# EAGLE board working (EAGLE 9.6.2), part 6 of 28
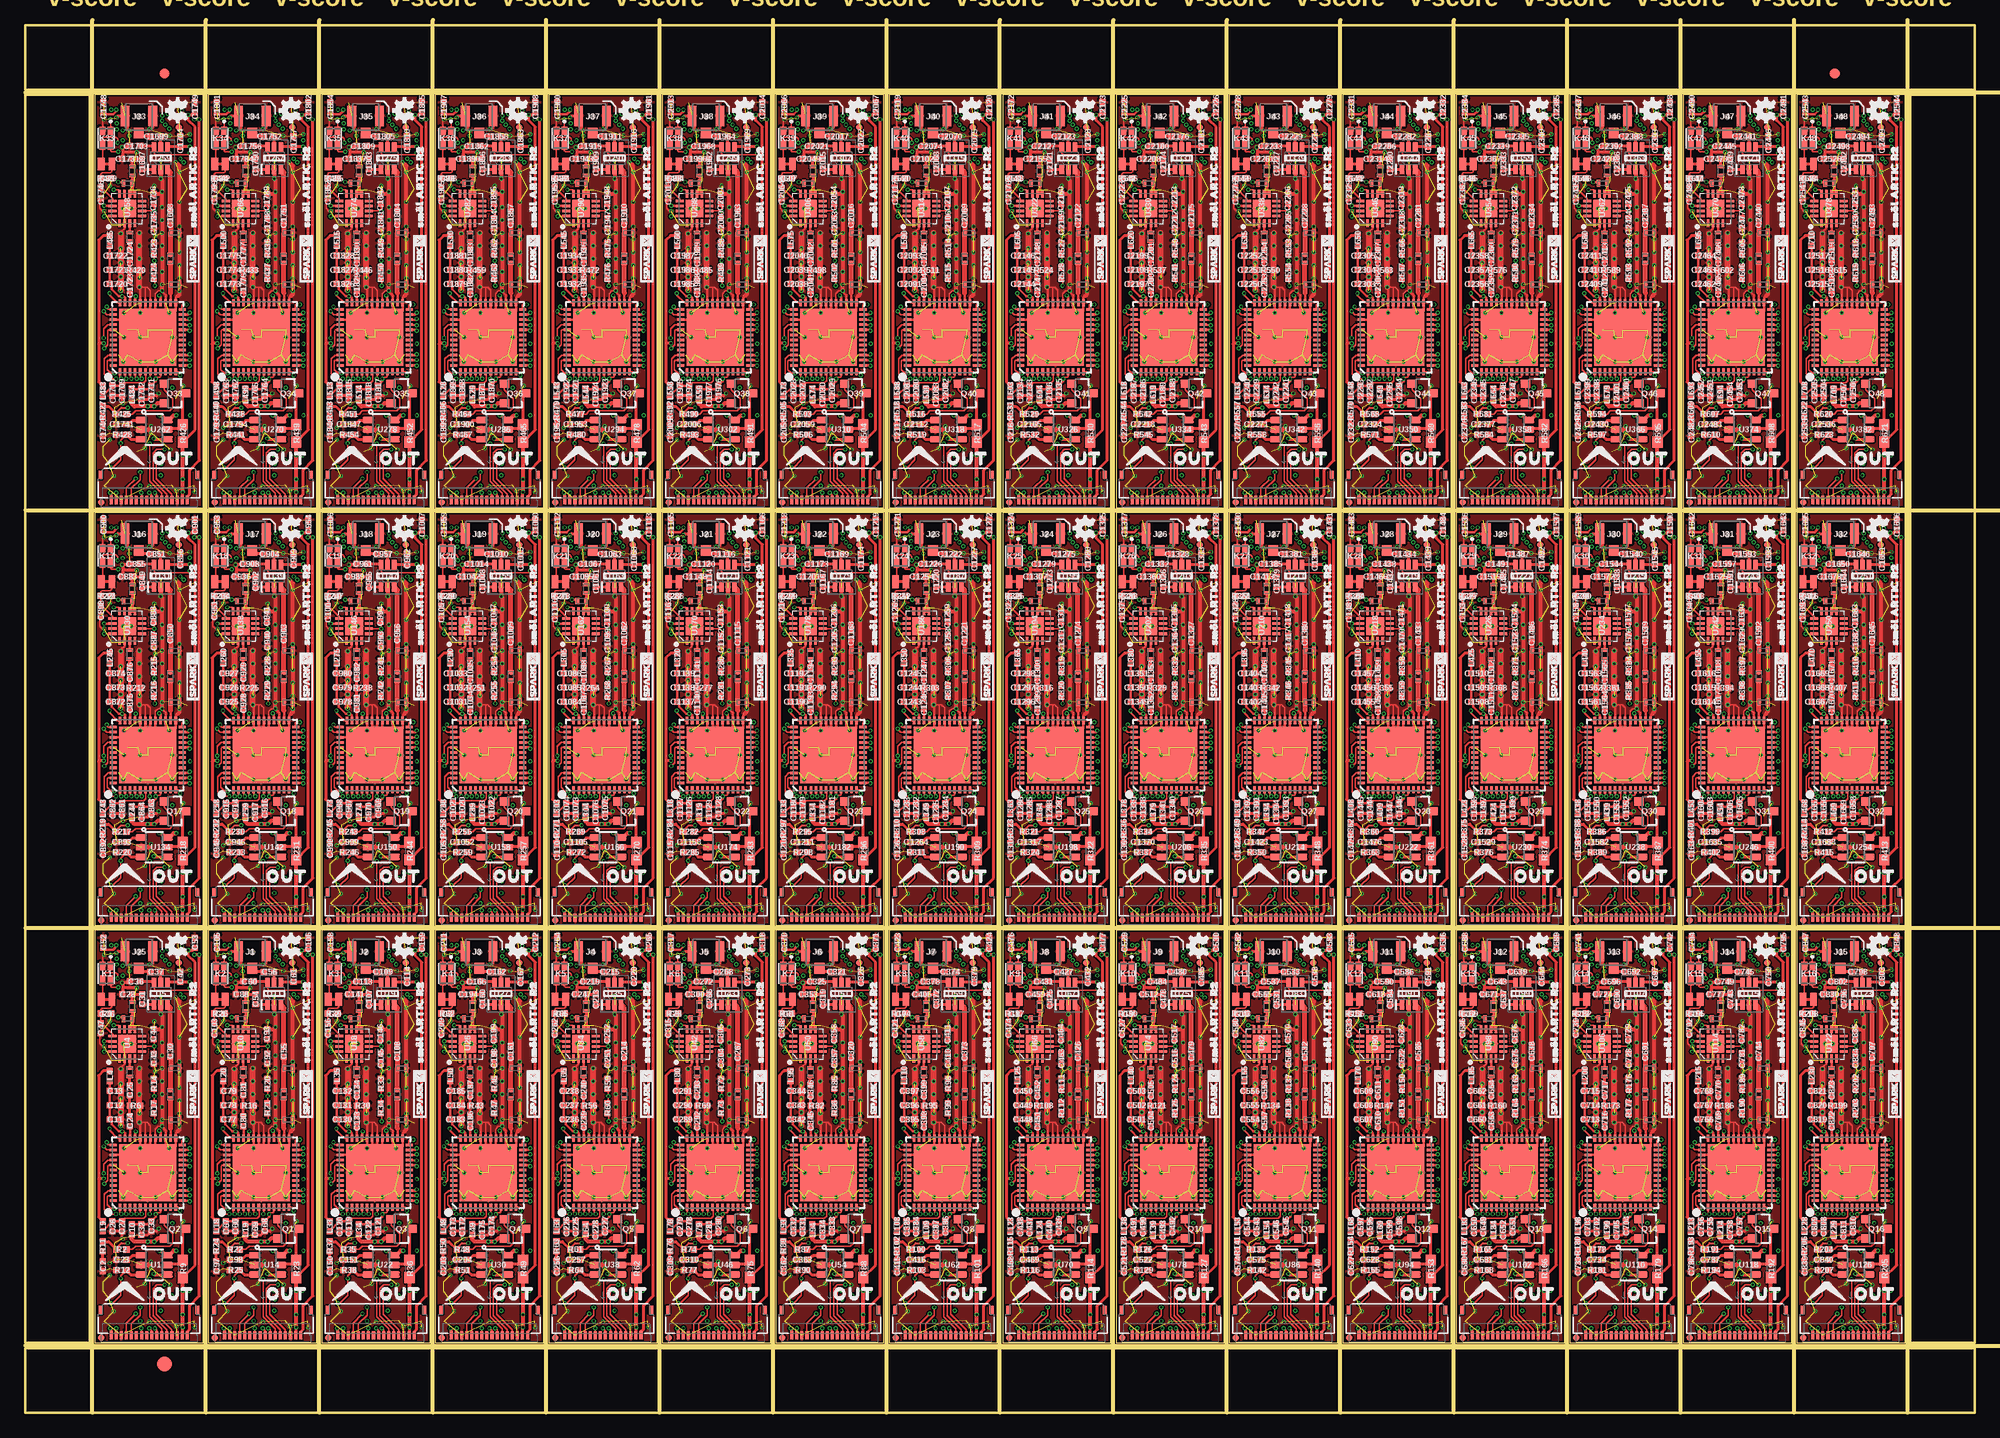
[diagram p0: board, top side]
## Placement (x,y rotation side) (continued)
U31  SST25VF020BUSON  [USON_3X2MM]  48.39,19.43 0 bottom
U32  PCA9536  [MSOP8]  45.72,10.03 0 bottom
U33  ARTIC_R2  [QFN-48]  56.77,23.62 90 top
U34  RFPA0133  [QFN50P300X300X86-17N]  54.74,36.32 90 top
U35  AS179-92LF  [SOT65P220X100-6N]  58.04,41.27 90 top
U36  1.8V/100mA  [SC70]  52.96,14.99 0 bottom
U37  3.0V  [SOT23-5]  60.64,36.96 180 bottom
U38  ADM4210_1TSOT6  [TSOT6]  57.4,14.54 270 top
U39  SST25VF020BUSON  [USON_3X2MM]  59.56,19.43 0 bottom
U40  PCA9536  [MSOP8]  56.9,10.03 0 bottom
U41  ARTIC_R2  [QFN-48]  67.95,23.62 90 top
U42  RFPA0133  [QFN50P300X300X86-17N]  65.91,36.32 90 top
U43  AS179-92LF  [SOT65P220X100-6N]  69.22,41.27 90 top
U44  1.8V/100mA  [SC70]  64.14,14.99 0 bottom
U45  3.0V  [SOT23-5]  71.82,36.96 180 bottom
U46  ADM4210_1TSOT6  [TSOT6]  68.58,14.54 270 top
U47  SST25VF020BUSON  [USON_3X2MM]  70.74,19.43 0 bottom
U48  PCA9536  [MSOP8]  68.07,10.03 0 bottom
U49  ARTIC_R2  [QFN-48]  79.12,23.62 90 top
U50  RFPA0133  [QFN50P300X300X86-17N]  77.09,36.32 90 top
U51  AS179-92LF  [SOT65P220X100-6N]  80.39,41.27 90 top
U52  1.8V/100mA  [SC70]  75.31,14.99 0 bottom
U53  3.0V  [SOT23-5]  82.99,36.96 180 bottom
U54  ADM4210_1TSOT6  [TSOT6]  79.76,14.54 270 top
U55  SST25VF020BUSON  [USON_3X2MM]  81.92,19.43 0 bottom
U56  PCA9536  [MSOP8]  79.25,10.03 0 bottom
U57  ARTIC_R2  [QFN-48]  90.3,23.62 90 top
U58  RFPA0133  [QFN50P300X300X86-17N]  88.27,36.32 90 top
U59  AS179-92LF  [SOT65P220X100-6N]  91.57,41.27 90 top
U60  1.8V/100mA  [SC70]  86.49,14.99 0 bottom
U61  3.0V  [SOT23-5]  94.17,36.96 180 bottom
U62  ADM4210_1TSOT6  [TSOT6]  90.93,14.54 270 top
U63  SST25VF020BUSON  [USON_3X2MM]  93.09,19.43 0 bottom
U64  PCA9536  [MSOP8]  90.42,10.03 0 bottom
U65  ARTIC_R2  [QFN-48]  101.47,23.62 90 top
U66  RFPA0133  [QFN50P300X300X86-17N]  99.44,36.32 90 top
U67  AS179-92LF  [SOT65P220X100-6N]  102.74,41.27 90 top
U68  1.8V/100mA  [SC70]  97.66,14.99 0 bottom
U69  3.0V  [SOT23-5]  105.35,36.96 180 bottom
U70  ADM4210_1TSOT6  [TSOT6]  102.11,14.54 270 top
U71  SST25VF020BUSON  [USON_3X2MM]  104.27,19.43 0 bottom
U72  PCA9536  [MSOP8]  101.6,10.03 0 bottom
U73  ARTIC_R2  [QFN-48]  112.65,23.62 90 top
U74  RFPA0133  [QFN50P300X300X86-17N]  110.62,36.32 90 top
U75  AS179-92LF  [SOT65P220X100-6N]  113.92,41.27 90 top
U76  1.8V/100mA  [SC70]  108.84,14.99 0 bottom
U77  3.0V  [SOT23-5]  116.52,36.96 180 bottom
U78  ADM4210_1TSOT6  [TSOT6]  113.28,14.54 270 top
U79  SST25VF020BUSON  [USON_3X2MM]  115.44,19.43 0 bottom
U80  PCA9536  [MSOP8]  112.78,10.03 0 bottom
U81  ARTIC_R2  [QFN-48]  123.83,23.62 90 top
U82  RFPA0133  [QFN50P300X300X86-17N]  121.79,36.32 90 top
U83  AS179-92LF  [SOT65P220X100-6N]  125.09,41.27 90 top
U84  1.8V/100mA  [SC70]  120.02,14.99 0 bottom
U85  3.0V  [SOT23-5]  127.7,36.96 180 bottom
U86  ADM4210_1TSOT6  [TSOT6]  124.46,14.54 270 top
U87  SST25VF020BUSON  [USON_3X2MM]  126.62,19.43 0 bottom
U88  PCA9536  [MSOP8]  123.95,10.03 0 bottom
U89  ARTIC_R2  [QFN-48]  135,23.62 90 top
U90  RFPA0133  [QFN50P300X300X86-17N]  132.97,36.32 90 top
U91  AS179-92LF  [SOT65P220X100-6N]  136.27,41.27 90 top
U92  1.8V/100mA  [SC70]  131.19,14.99 0 bottom
U93  3.0V  [SOT23-5]  138.87,36.96 180 bottom
U94  ADM4210_1TSOT6  [TSOT6]  135.64,14.54 270 top
U95  SST25VF020BUSON  [USON_3X2MM]  137.8,19.43 0 bottom
U96  PCA9536  [MSOP8]  135.13,10.03 0 bottom
U97  ARTIC_R2  [QFN-48]  146.18,23.62 90 top
U98  RFPA0133  [QFN50P300X300X86-17N]  144.15,36.32 90 top
U99  AS179-92LF  [SOT65P220X100-6N]  147.45,41.27 90 top
U100  1.8V/100mA  [SC70]  142.37,14.99 0 bottom
U101  3.0V  [SOT23-5]  150.05,36.96 180 bottom
U102  ADM4210_1TSOT6  [TSOT6]  146.81,14.54 270 top
U103  SST25VF020BUSON  [USON_3X2MM]  148.97,19.43 0 bottom
U104  PCA9536  [MSOP8]  146.3,10.03 0 bottom
U105  ARTIC_R2  [QFN-48]  157.35,23.62 90 top
U106  RFPA0133  [QFN50P300X300X86-17N]  155.32,36.32 90 top
U107  AS179-92LF  [SOT65P220X100-6N]  158.62,41.27 90 top
U108  1.8V/100mA  [SC70]  153.54,14.99 0 bottom
U109  3.0V  [SOT23-5]  161.23,36.96 180 bottom
U110  ADM4210_1TSOT6  [TSOT6]  157.99,14.54 270 top
U111  SST25VF020BUSON  [USON_3X2MM]  160.15,19.43 0 bottom
U112  PCA9536  [MSOP8]  157.48,10.03 0 bottom
U113  ARTIC_R2  [QFN-48]  168.53,23.62 90 top
U114  RFPA0133  [QFN50P300X300X86-17N]  166.5,36.32 90 top
U115  AS179-92LF  [SOT65P220X100-6N]  169.8,41.27 90 top
U116  1.8V/100mA  [SC70]  164.72,14.99 0 bottom
U117  3.0V  [SOT23-5]  172.4,36.96 180 bottom
U118  ADM4210_1TSOT6  [TSOT6]  169.16,14.54 270 top
U119  SST25VF020BUSON  [USON_3X2MM]  171.32,19.43 0 bottom
U120  PCA9536  [MSOP8]  168.66,10.03 0 bottom
U121  ARTIC_R2  [QFN-48]  179.71,23.62 90 top
U122  RFPA0133  [QFN50P300X300X86-17N]  177.67,36.32 90 top
U123  AS179-92LF  [SOT65P220X100-6N]  180.97,41.27 90 top
U124  1.8V/100mA  [SC70]  175.9,14.99 0 bottom
U125  3.0V  [SOT23-5]  183.58,36.96 180 bottom
U126  ADM4210_1TSOT6  [TSOT6]  180.34,14.54 270 top
U127  SST25VF020BUSON  [USON_3X2MM]  182.5,19.43 0 bottom
U128  PCA9536  [MSOP8]  179.83,10.03 0 bottom
U129  ARTIC_R2  [QFN-48]  12.06,64.77 90 top
U130  RFPA0133  [QFN50P300X300X86-17N]  10.03,77.47 90 top
U131  AS179-92LF  [SOT65P220X100-6N]  13.34,82.42 90 top
U132  1.8V/100mA  [SC70]  8.25,56.13 0 bottom
U133  3.0V  [SOT23-5]  15.94,78.11 180 bottom
U134  ADM4210_1TSOT6  [TSOT6]  12.7,55.69 270 top
U135  SST25VF020BUSON  [USON_3X2MM]  14.86,60.58 0 bottom
U136  PCA9536  [MSOP8]  12.19,51.18 0 bottom
U137  ARTIC_R2  [QFN-48]  23.24,64.77 90 top
U138  RFPA0133  [QFN50P300X300X86-17N]  21.21,77.47 90 top
U139  AS179-92LF  [SOT65P220X100-6N]  24.51,82.42 90 top
U140  1.8V/100mA  [SC70]  19.43,56.13 0 bottom
U141  3.0V  [SOT23-5]  27.11,78.11 180 bottom
U142  ADM4210_1TSOT6  [TSOT6]  23.88,55.69 270 top
U143  SST25VF020BUSON  [USON_3X2MM]  26.04,60.58 0 bottom
U144  PCA9536  [MSOP8]  23.37,51.18 0 bottom
U145  ARTIC_R2  [QFN-48]  34.42,64.77 90 top
U146  RFPA0133  [QFN50P300X300X86-17N]  32.38,77.47 90 top
U147  AS179-92LF  [SOT65P220X100-6N]  35.69,82.42 90 top
U148  1.8V/100mA  [SC70]  30.61,56.13 0 bottom
U149  3.0V  [SOT23-5]  38.29,78.11 180 bottom
U150  ADM4210_1TSOT6  [TSOT6]  35.05,55.69 270 top
U151  SST25VF020BUSON  [USON_3X2MM]  37.21,60.58 0 bottom
U152  PCA9536  [MSOP8]  34.54,51.18 0 bottom
U153  ARTIC_R2  [QFN-48]  45.59,64.77 90 top
U154  RFPA0133  [QFN50P300X300X86-17N]  43.56,77.47 90 top
U155  AS179-92LF  [SOT65P220X100-6N]  46.86,82.42 90 top
U156  1.8V/100mA  [SC70]  41.78,56.13 0 bottom
U157  3.0V  [SOT23-5]  49.47,78.11 180 bottom
U158  ADM4210_1TSOT6  [TSOT6]  46.23,55.69 270 top
U159  SST25VF020BUSON  [USON_3X2MM]  48.39,60.58 0 bottom
U160  PCA9536  [MSOP8]  45.72,51.18 0 bottom
U161  ARTIC_R2  [QFN-48]  56.77,64.77 90 top
U162  RFPA0133  [QFN50P300X300X86-17N]  54.74,77.47 90 top
U163  AS179-92LF  [SOT65P220X100-6N]  58.04,82.42 90 top
U164  1.8V/100mA  [SC70]  52.96,56.13 0 bottom
U165  3.0V  [SOT23-5]  60.64,78.11 180 bottom
U166  ADM4210_1TSOT6  [TSOT6]  57.4,55.69 270 top
U167  SST25VF020BUSON  [USON_3X2MM]  59.56,60.58 0 bottom
U168  PCA9536  [MSOP8]  56.9,51.18 0 bottom
U169  ARTIC_R2  [QFN-48]  67.95,64.77 90 top
U170  RFPA0133  [QFN50P300X300X86-17N]  65.91,77.47 90 top
U171  AS179-92LF  [SOT65P220X100-6N]  69.22,82.42 90 top
U172  1.8V/100mA  [SC70]  64.14,56.13 0 bottom
U173  3.0V  [SOT23-5]  71.82,78.11 180 bottom
U174  ADM4210_1TSOT6  [TSOT6]  68.58,55.69 270 top
U175  SST25VF020BUSON  [USON_3X2MM]  70.74,60.58 0 bottom
U176  PCA9536  [MSOP8]  68.07,51.18 0 bottom
U177  ARTIC_R2  [QFN-48]  79.12,64.77 90 top
U178  RFPA0133  [QFN50P300X300X86-17N]  77.09,77.47 90 top
U179  AS179-92LF  [SOT65P220X100-6N]  80.39,82.42 90 top
U180  1.8V/100mA  [SC70]  75.31,56.13 0 bottom
U181  3.0V  [SOT23-5]  82.99,78.11 180 bottom
U182  ADM4210_1TSOT6  [TSOT6]  79.76,55.69 270 top
U183  SST25VF020BUSON  [USON_3X2MM]  81.92,60.58 0 bottom
U184  PCA9536  [MSOP8]  79.25,51.18 0 bottom
U185  ARTIC_R2  [QFN-48]  90.3,64.77 90 top
U186  RFPA0133  [QFN50P300X300X86-17N]  88.27,77.47 90 top
U187  AS179-92LF  [SOT65P220X100-6N]  91.57,82.42 90 top
U188  1.8V/100mA  [SC70]  86.49,56.13 0 bottom
U189  3.0V  [SOT23-5]  94.17,78.11 180 bottom
U190  ADM4210_1TSOT6  [TSOT6]  90.93,55.69 270 top
U191  SST25VF020BUSON  [USON_3X2MM]  93.09,60.58 0 bottom
U192  PCA9536  [MSOP8]  90.42,51.18 0 bottom
U193  ARTIC_R2  [QFN-48]  101.47,64.77 90 top
U194  RFPA0133  [QFN50P300X300X86-17N]  99.44,77.47 90 top
U195  AS179-92LF  [SOT65P220X100-6N]  102.74,82.42 90 top
U196  1.8V/100mA  [SC70]  97.66,56.13 0 bottom
U197  3.0V  [SOT23-5]  105.35,78.11 180 bottom
U198  ADM4210_1TSOT6  [TSOT6]  102.11,55.69 270 top
U199  SST25VF020BUSON  [USON_3X2MM]  104.27,60.58 0 bottom
U200  PCA9536  [MSOP8]  101.6,51.18 0 bottom
U201  ARTIC_R2  [QFN-48]  112.65,64.77 90 top
U202  RFPA0133  [QFN50P300X300X86-17N]  110.62,77.47 90 top
U203  AS179-92LF  [SOT65P220X100-6N]  113.92,82.42 90 top
U204  1.8V/100mA  [SC70]  108.84,56.13 0 bottom
U205  3.0V  [SOT23-5]  116.52,78.11 180 bottom
U206  ADM4210_1TSOT6  [TSOT6]  113.28,55.69 270 top
U207  SST25VF020BUSON  [USON_3X2MM]  115.44,60.58 0 bottom
U208  PCA9536  [MSOP8]  112.78,51.18 0 bottom
U209  ARTIC_R2  [QFN-48]  123.83,64.77 90 top
U210  RFPA0133  [QFN50P300X300X86-17N]  121.79,77.47 90 top
U211  AS179-92LF  [SOT65P220X100-6N]  125.09,82.42 90 top
U212  1.8V/100mA  [SC70]  120.02,56.13 0 bottom
U213  3.0V  [SOT23-5]  127.7,78.11 180 bottom
U214  ADM4210_1TSOT6  [TSOT6]  124.46,55.69 270 top
U215  SST25VF020BUSON  [USON_3X2MM]  126.62,60.58 0 bottom
U216  PCA9536  [MSOP8]  123.95,51.18 0 bottom
U217  ARTIC_R2  [QFN-48]  135,64.77 90 top
U218  RFPA0133  [QFN50P300X300X86-17N]  132.97,77.47 90 top
U219  AS179-92LF  [SOT65P220X100-6N]  136.27,82.42 90 top
U220  1.8V/100mA  [SC70]  131.19,56.13 0 bottom
U221  3.0V  [SOT23-5]  138.87,78.11 180 bottom
U222  ADM4210_1TSOT6  [TSOT6]  135.64,55.69 270 top
U223  SST25VF020BUSON  [USON_3X2MM]  137.8,60.58 0 bottom
U224  PCA9536  [MSOP8]  135.13,51.18 0 bottom
U225  ARTIC_R2  [QFN-48]  146.18,64.77 90 top
U226  RFPA0133  [QFN50P300X300X86-17N]  144.15,77.47 90 top
U227  AS179-92LF  [SOT65P220X100-6N]  147.45,82.42 90 top
U228  1.8V/100mA  [SC70]  142.37,56.13 0 bottom
U229  3.0V  [SOT23-5]  150.05,78.11 180 bottom
U230  ADM4210_1TSOT6  [TSOT6]  146.81,55.69 270 top
U231  SST25VF020BUSON  [USON_3X2MM]  148.97,60.58 0 bottom
U232  PCA9536  [MSOP8]  146.3,51.18 0 bottom
U233  ARTIC_R2  [QFN-48]  157.35,64.77 90 top
U234  RFPA0133  [QFN50P300X300X86-17N]  155.32,77.47 90 top
U235  AS179-92LF  [SOT65P220X100-6N]  158.62,82.42 90 top
U236  1.8V/100mA  [SC70]  153.54,56.13 0 bottom
U237  3.0V  [SOT23-5]  161.23,78.11 180 bottom
U238  ADM4210_1TSOT6  [TSOT6]  157.99,55.69 270 top
U239  SST25VF020BUSON  [USON_3X2MM]  160.15,60.58 0 bottom
U240  PCA9536  [MSOP8]  157.48,51.18 0 bottom
U241  ARTIC_R2  [QFN-48]  168.53,64.77 90 top
U242  RFPA0133  [QFN50P300X300X86-17N]  166.5,77.47 90 top
U243  AS179-92LF  [SOT65P220X100-6N]  169.8,82.42 90 top
U244  1.8V/100mA  [SC70]  164.72,56.13 0 bottom
U245  3.0V  [SOT23-5]  172.4,78.11 180 bottom
U246  ADM4210_1TSOT6  [TSOT6]  169.16,55.69 270 top
U247  SST25VF020BUSON  [USON_3X2MM]  171.32,60.58 0 bottom
U248  PCA9536  [MSOP8]  168.66,51.18 0 bottom
U249  ARTIC_R2  [QFN-48]  179.71,64.77 90 top
U250  RFPA0133  [QFN50P300X300X86-17N]  177.67,77.47 90 top
U251  AS179-92LF  [SOT65P220X100-6N]  180.97,82.42 90 top
U252  1.8V/100mA  [SC70]  175.9,56.13 0 bottom
U253  3.0V  [SOT23-5]  183.58,78.11 180 bottom
U254  ADM4210_1TSOT6  [TSOT6]  180.34,55.69 270 top
U255  SST25VF020BUSON  [USON_3X2MM]  182.5,60.58 0 bottom
U256  PCA9536  [MSOP8]  179.83,51.18 0 bottom
U257  ARTIC_R2  [QFN-48]  12.06,105.92 90 top
U258  RFPA0133  [QFN50P300X300X86-17N]  10.03,118.62 90 top
U259  AS179-92LF  [SOT65P220X100-6N]  13.34,123.57 90 top
U260  1.8V/100mA  [SC70]  8.25,97.28 0 bottom
U261  3.0V  [SOT23-5]  15.94,119.25 180 bottom
U262  ADM4210_1TSOT6  [TSOT6]  12.7,96.84 270 top
U263  SST25VF020BUSON  [USON_3X2MM]  14.86,101.73 0 bottom
U264  PCA9536  [MSOP8]  12.19,92.33 0 bottom
U265  ARTIC_R2  [QFN-48]  23.24,105.92 90 top
U266  RFPA0133  [QFN50P300X300X86-17N]  21.21,118.62 90 top
U267  AS179-92LF  [SOT65P220X100-6N]  24.51,123.57 90 top
U268  1.8V/100mA  [SC70]  19.43,97.28 0 bottom
U269  3.0V  [SOT23-5]  27.11,119.25 180 bottom
U270  ADM4210_1TSOT6  [TSOT6]  23.88,96.84 270 top
U271  SST25VF020BUSON  [USON_3X2MM]  26.04,101.73 0 bottom
U272  PCA9536  [MSOP8]  23.37,92.33 0 bottom
U273  ARTIC_R2  [QFN-48]  34.42,105.92 90 top
U274  RFPA0133  [QFN50P300X300X86-17N]  32.38,118.62 90 top
U275  AS179-92LF  [SOT65P220X100-6N]  35.69,123.57 90 top
U276  1.8V/100mA  [SC70]  30.61,97.28 0 bottom
U277  3.0V  [SOT23-5]  38.29,119.25 180 bottom
U278  ADM4210_1TSOT6  [TSOT6]  35.05,96.84 270 top
U279  SST25VF020BUSON  [USON_3X2MM]  37.21,101.73 0 bottom
U280  PCA9536  [MSOP8]  34.54,92.33 0 bottom
U281  ARTIC_R2  [QFN-48]  45.59,105.92 90 top
U282  RFPA0133  [QFN50P300X300X86-17N]  43.56,118.62 90 top
U283  AS179-92LF  [SOT65P220X100-6N]  46.86,123.57 90 top
U284  1.8V/100mA  [SC70]  41.78,97.28 0 bottom
U285  3.0V  [SOT23-5]  49.47,119.25 180 bottom
U286  ADM4210_1TSOT6  [TSOT6]  46.23,96.84 270 top
U287  SST25VF020BUSON  [USON_3X2MM]  48.39,101.73 0 bottom
U288  PCA9536  [MSOP8]  45.72,92.33 0 bottom
U289  ARTIC_R2  [QFN-48]  56.77,105.92 90 top
U290  RFPA0133  [QFN50P300X300X86-17N]  54.74,118.62 90 top
U291  AS179-92LF  [SOT65P220X100-6N]  58.04,123.57 90 top
U292  1.8V/100mA  [SC70]  52.96,97.28 0 bottom
U293  3.0V  [SOT23-5]  60.64,119.25 180 bottom
U294  ADM4210_1TSOT6  [TSOT6]  57.4,96.84 270 top
U295  SST25VF020BUSON  [USON_3X2MM]  59.56,101.73 0 bottom
U296  PCA9536  [MSOP8]  56.9,92.33 0 bottom
U297  ARTIC_R2  [QFN-48]  67.95,105.92 90 top
U298  RFPA0133  [QFN50P300X300X86-17N]  65.91,118.62 90 top
U299  AS179-92LF  [SOT65P220X100-6N]  69.22,123.57 90 top
U300  1.8V/100mA  [SC70]  64.14,97.28 0 bottom
U301  3.0V  [SOT23-5]  71.82,119.25 180 bottom
U302  ADM4210_1TSOT6  [TSOT6]  68.58,96.84 270 top
U303  SST25VF020BUSON  [USON_3X2MM]  70.74,101.73 0 bottom
U304  PCA9536  [MSOP8]  68.07,92.33 0 bottom
U305  ARTIC_R2  [QFN-48]  79.12,105.92 90 top
U306  RFPA0133  [QFN50P300X300X86-17N]  77.09,118.62 90 top
U307  AS179-92LF  [SOT65P220X100-6N]  80.39,123.57 90 top
U308  1.8V/100mA  [SC70]  75.31,97.28 0 bottom
U309  3.0V  [SOT23-5]  82.99,119.25 180 bottom
U310  ADM4210_1TSOT6  [TSOT6]  79.76,96.84 270 top
U311  SST25VF020BUSON  [USON_3X2MM]  81.92,101.73 0 bottom
U312  PCA9536  [MSOP8]  79.25,92.33 0 bottom
U313  ARTIC_R2  [QFN-48]  90.3,105.92 90 top
U314  RFPA0133  [QFN50P300X300X86-17N]  88.27,118.62 90 top
U315  AS179-92LF  [SOT65P220X100-6N]  91.57,123.57 90 top
U316  1.8V/100mA  [SC70]  86.49,97.28 0 bottom
U317  3.0V  [SOT23-5]  94.17,119.25 180 bottom
U318  ADM4210_1TSOT6  [TSOT6]  90.93,96.84 270 top
U319  SST25VF020BUSON  [USON_3X2MM]  93.09,101.73 0 bottom
U320  PCA9536  [MSOP8]  90.42,92.33 0 bottom
U321  ARTIC_R2  [QFN-48]  101.47,105.92 90 top
U322  RFPA0133  [QFN50P300X300X86-17N]  99.44,118.62 90 top
U323  AS179-92LF  [SOT65P220X100-6N]  102.74,123.57 90 top
U324  1.8V/100mA  [SC70]  97.66,97.28 0 bottom
U325  3.0V  [SOT23-5]  105.35,119.25 180 bottom
U326  ADM4210_1TSOT6  [TSOT6]  102.11,96.84 270 top
U327  SST25VF020BUSON  [USON_3X2MM]  104.27,101.73 0 bottom
U328  PCA9536  [MSOP8]  101.6,92.33 0 bottom
U329  ARTIC_R2  [QFN-48]  112.65,105.92 90 top
U330  RFPA0133  [QFN50P300X300X86-17N]  110.62,118.62 90 top
U331  AS179-92LF  [SOT65P220X100-6N]  113.92,123.57 90 top
U332  1.8V/100mA  [SC70]  108.84,97.28 0 bottom
U333  3.0V  [SOT23-5]  116.52,119.25 180 bottom
U334  ADM4210_1TSOT6  [TSOT6]  113.28,96.84 270 top
U335  SST25VF020BUSON  [USON_3X2MM]  115.44,101.73 0 bottom
U336  PCA9536  [MSOP8]  112.78,92.33 0 bottom
U337  ARTIC_R2  [QFN-48]  123.83,105.92 90 top
U338  RFPA0133  [QFN50P300X300X86-17N]  121.79,118.62 90 top
U339  AS179-92LF  [SOT65P220X100-6N]  125.09,123.57 90 top
U340  1.8V/100mA  [SC70]  120.02,97.28 0 bottom
U341  3.0V  [SOT23-5]  127.7,119.25 180 bottom
U342  ADM4210_1TSOT6  [TSOT6]  124.46,96.84 270 top
U343  SST25VF020BUSON  [USON_3X2MM]  126.62,101.73 0 bottom
U344  PCA9536  [MSOP8]  123.95,92.33 0 bottom
U345  ARTIC_R2  [QFN-48]  135,105.92 90 top
U346  RFPA0133  [QFN50P300X300X86-17N]  132.97,118.62 90 top
U347  AS179-92LF  [SOT65P220X100-6N]  136.27,123.57 90 top
U348  1.8V/100mA  [SC70]  131.19,97.28 0 bottom
U349  3.0V  [SOT23-5]  138.87,119.25 180 bottom
U350  ADM4210_1TSOT6  [TSOT6]  135.64,96.84 270 top
U351  SST25VF020BUSON  [USON_3X2MM]  137.8,101.73 0 bottom
U352  PCA9536  [MSOP8]  135.13,92.33 0 bottom
U353  ARTIC_R2  [QFN-48]  146.18,105.92 90 top
U354  RFPA0133  [QFN50P300X300X86-17N]  144.15,118.62 90 top
U355  AS179-92LF  [SOT65P220X100-6N]  147.45,123.57 90 top
U356  1.8V/100mA  [SC70]  142.37,97.28 0 bottom
U357  3.0V  [SOT23-5]  150.05,119.25 180 bottom
U358  ADM4210_1TSOT6  [TSOT6]  146.81,96.84 270 top
U359  SST25VF020BUSON  [USON_3X2MM]  148.97,101.73 0 bottom
U360  PCA9536  [MSOP8]  146.3,92.33 0 bottom
U361  ARTIC_R2  [QFN-48]  157.35,105.92 90 top
U362  RFPA0133  [QFN50P300X300X86-17N]  155.32,118.62 90 top
U363  AS179-92LF  [SOT65P220X100-6N]  158.62,123.57 90 top
U364  1.8V/100mA  [SC70]  153.54,97.28 0 bottom
U365  3.0V  [SOT23-5]  161.23,119.25 180 bottom
U366  ADM4210_1TSOT6  [TSOT6]  157.99,96.84 270 top
U367  SST25VF020BUSON  [USON_3X2MM]  160.15,101.73 0 bottom
U368  PCA9536  [MSOP8]  157.48,92.33 0 bottom
U369  ARTIC_R2  [QFN-48]  168.53,105.92 90 top
U370  RFPA0133  [QFN50P300X300X86-17N]  166.5,118.62 90 top
U371  AS179-92LF  [SOT65P220X100-6N]  169.8,123.57 90 top
U372  1.8V/100mA  [SC70]  164.72,97.28 0 bottom
U373  3.0V  [SOT23-5]  172.4,119.25 180 bottom
U374  ADM4210_1TSOT6  [TSOT6]  169.16,96.84 270 top
U375  SST25VF020BUSON  [USON_3X2MM]  171.32,101.73 0 bottom
U376  PCA9536  [MSOP8]  168.66,92.33 0 bottom
U377  ARTIC_R2  [QFN-48]  179.71,105.92 90 top
U378  RFPA0133  [QFN50P300X300X86-17N]  177.67,118.62 90 top
U379  AS179-92LF  [SOT65P220X100-6N]  180.97,123.57 90 top
U380  1.8V/100mA  [SC70]  175.9,97.28 0 bottom
U381  3.0V  [SOT23-5]  183.58,119.25 180 bottom
U382  ADM4210_1TSOT6  [TSOT6]  180.34,96.84 270 top
U383  SST25VF020BUSON  [USON_3X2MM]  182.5,101.73 0 bottom
U384  PCA9536  [MSOP8]  179.83,92.33 0 bottom
U$1  [OUT0]  14.61,11.68 0 top
U$2  SMOL_LOGOSMALL  [SMOL_SMALL]  9.78,12.19 0 top
U$3  SMOL_LOGOSMALL  [SMOL_SMALL]  12.19,42.67 0 bottom
U$4  SPARKX-LOGO3  [SPARKX-SMALL]  12.19,32.96 0 bottom
U$5  SPARKX-LOGO3  [SPARKX-SMALL]  23.37,32.96 0 bottom
U$6  SPARKX-LOGO2  [SPARKX-TINY]  27.69,31.37 90 top
U$7  [IN0]  12.19,41.15 0 bottom
U$8  SPARKX-LOGO2  [SPARKX-TINY]  16.51,31.37 90 top
U$9  [SM�L_ARTIC_R20]  16.51,38.48 90 top
U$10  [SM�L_ARTIC_R20]  12.19,31.31 0 bottom
U$11  [OUT0]  25.78,11.68 0 top
U$12  SMOL_LOGOSMALL  [SMOL_SMALL]  20.95,12.19 0 top
U$13  SMOL_LOGOSMALL  [SMOL_SMALL]  23.37,42.67 0 bottom
U$14  [IN0]  23.37,41.15 0 bottom
U$15  [SM�L_ARTIC_R20]  27.69,38.48 90 top
U$16  [SM�L_ARTIC_R20]  23.37,31.31 0 bottom
U$17  SPARKX-LOGO3  [SPARKX-SMALL]  34.54,32.96 0 bottom
U$18  SPARKX-LOGO2  [SPARKX-TINY]  38.86,31.37 90 top
U$19  [OUT0]  36.96,11.68 0 top
U$20  SMOL_LOGOSMALL  [SMOL_SMALL]  32.13,12.19 0 top
U$21  SMOL_LOGOSMALL  [SMOL_SMALL]  34.54,42.67 0 bottom
U$22  [IN0]  34.54,41.15 0 bottom
U$23  [SM�L_ARTIC_R20]  38.86,38.48 90 top
U$24  [SM�L_ARTIC_R20]  34.54,31.31 0 bottom
U$25  SPARKX-LOGO3  [SPARKX-SMALL]  45.72,32.96 0 bottom
U$26  SPARKX-LOGO2  [SPARKX-TINY]  50.04,31.37 90 top
U$27  [OUT0]  48.13,11.68 0 top
U$28  SMOL_LOGOSMALL  [SMOL_SMALL]  43.31,12.19 0 top
U$29  SMOL_LOGOSMALL  [SMOL_SMALL]  45.72,42.67 0 bottom
U$30  [IN0]  45.72,41.15 0 bottom
U$31  [SM�L_ARTIC_R20]  50.04,38.48 90 top
U$32  [SM�L_ARTIC_R20]  45.72,31.31 0 bottom
U$33  SPARKX-LOGO3  [SPARKX-SMALL]  56.9,32.96 0 bottom
U$34  SPARKX-LOGO2  [SPARKX-TINY]  61.21,31.37 90 top
U$35  [OUT0]  59.31,11.68 0 top
U$36  SMOL_LOGOSMALL  [SMOL_SMALL]  54.48,12.19 0 top
U$37  SMOL_LOGOSMALL  [SMOL_SMALL]  56.9,42.67 0 bottom
U$38  [IN0]  56.9,41.15 0 bottom
U$39  [SM�L_ARTIC_R20]  61.21,38.48 90 top
U$40  [SM�L_ARTIC_R20]  56.9,31.31 0 bottom
U$41  SPARKX-LOGO3  [SPARKX-SMALL]  68.07,32.96 0 bottom
U$42  SPARKX-LOGO2  [SPARKX-TINY]  72.39,31.37 90 top
U$43  [OUT0]  70.48,11.68 0 top
U$44  SMOL_LOGOSMALL  [SMOL_SMALL]  65.66,12.19 0 top
U$45  SMOL_LOGOSMALL  [SMOL_SMALL]  68.07,42.67 0 bottom
U$46  [IN0]  68.07,41.15 0 bottom
U$47  [SM�L_ARTIC_R20]  72.39,38.48 90 top
U$48  [SM�L_ARTIC_R20]  68.07,31.31 0 bottom
U$49  SPARKX-LOGO3  [SPARKX-SMALL]  79.25,32.96 0 bottom
U$50  SPARKX-LOGO2  [SPARKX-TINY]  83.57,31.37 90 top
U$51  [OUT0]  81.66,11.68 0 top
U$52  SMOL_LOGOSMALL  [SMOL_SMALL]  76.84,12.19 0 top
U$53  SMOL_LOGOSMALL  [SMOL_SMALL]  79.25,42.67 0 bottom
U$54  [IN0]  79.25,41.15 0 bottom
U$55  [SM�L_ARTIC_R20]  83.57,38.48 90 top
U$56  [SM�L_ARTIC_R20]  79.25,31.31 0 bottom
U$57  SPARKX-LOGO3  [SPARKX-SMALL]  90.42,32.96 0 bottom
U$58  SPARKX-LOGO2  [SPARKX-TINY]  94.74,31.37 90 top
U$59  [OUT0]  92.84,11.68 0 top
U$60  SMOL_LOGOSMALL  [SMOL_SMALL]  88.01,12.19 0 top
U$61  SMOL_LOGOSMALL  [SMOL_SMALL]  90.42,42.67 0 bottom
U$62  [IN0]  90.42,41.15 0 bottom
U$63  [SM�L_ARTIC_R20]  94.74,38.48 90 top
U$64  [SM�L_ARTIC_R20]  90.42,31.31 0 bottom
U$65  SPARKX-LOGO3  [SPARKX-SMALL]  101.6,32.96 0 bottom
U$66  SPARKX-LOGO2  [SPARKX-TINY]  105.92,31.37 90 top
U$67  [OUT0]  104.01,11.68 0 top
U$68  SMOL_LOGOSMALL  [SMOL_SMALL]  99.19,12.19 0 top
U$69  SMOL_LOGOSMALL  [SMOL_SMALL]  101.6,42.67 0 bottom
U$70  [IN0]  101.6,41.15 0 bottom